# KiCad board haptic display 8x8 aisler.kicad_pcb (continued)
## Routing (per net, layer and track width the routed paths; a pad name or vN(x,y) marks a point on that pad's centre or on a via; arc(x,y) is an arc through that point) (continued)
77.95,68.55 78.22,68.69 78.51,68.81 78.8,68.91 79.09,68.98 79.39,69.04 79.7,69.07 80,69.08 80.3,69.06 80.61,69.02 80.9,68.96 81.2,68.88 81.48,68.78 81.76,68.66 82.03,68.51 82.28,68.35 82.52,68.17 82.75,67.97 82.96,67.75 83.16,67.52 83.33,67.27 83.49,67.02 83.63,66.75 83.75,66.47 83.85,66.19 83.92,65.89 83.97,65.6 84,65.3 84.01,65 84,64.7 83.96,64.4 83.9,64.11 83.82,63.82 83.72,63.54 83.6,63.27 83.46,63 83.3,62.75 83.12,62.51 82.92,62.29 82.71,62.08 82.48,61.89 82.24,61.72 81.99,61.56 81.72,61.43 81.45,61.31 81.17,61.21 80.88,61.14 80.59,61.09 80.3,61.06 80,61.05 79.69,61.07 79.38,61.1 79.08,61.17 78.78,61.26 78.49,61.37 78.22,61.5 77.95,61.65 77.69,61.82 77.45,62.02 77.23,62.23 77.02,62.46 76.83,62.7 76.67,62.96 76.52,63.23 76.39,63.51 76.29,63.79 76.21,64.09 76.15,64.39 76.12,64.69 76.11,65 76.13,65.3 76.17,65.61 76.23,65.91 76.31,66.2 76.42,66.48 76.55,66.76 76.7,67.02 76.88,67.27 77.07,67.51 77.27,67.73 77.5,67.93 77.74,68.11 77.99,68.28 78.25,68.42 78.53,68.55 78.81,68.65 79.1,68.73 79.4,68.78 79.7,68.82 80,68.83 80.3,68.81 80.6,68.77 80.89,68.71 81.18,68.63 81.46,68.52 81.73,68.39 81.99,68.24 82.23,68.07 82.47,67.89 82.68,67.68 82.88,67.46 83.06,67.23 83.23,66.98 83.37,66.72 83.49,66.45 83.59,66.17 83.67,65.88 83.72,65.59 83.75,65.3 83.76,65 83.75,64.71 83.71,64.41 83.65,64.12 83.57,63.84 83.46,63.57 83.34,63.3 83.19,63.05 83.02,62.8 82.84,62.57 82.64,62.36 82.42,62.17 82.19,61.99 81.94,61.83 81.69,61.69 81.42,61.57 81.15,61.47 80.87,61.39 80.58,61.34 80.29,61.31 80,61.3 79.69,61.32 79.39,61.36 79.09,61.42 78.8,61.51 78.52,61.63 78.25,61.76 77.99,61.92 77.74,62.1 77.51,62.3 77.3,62.52 77.11,62.75 76.94,63 76.78,63.26 76.65,63.53 76.55,63.81 76.46,64.1 76.41,64.4 76.37,64.7 76.36,65 76.38,65.3 76.42,65.6 76.48,65.89 76.57,66.18 76.68,66.45 76.82,66.72 76.97,66.98 77.15,67.22 77.35,67.44 77.56,67.65 77.79,67.84 78.03,68.01 78.29,68.16 78.56,68.29 78.83,68.39 79.12,68.48 79.41,68.53 79.7,68.57 80,68.58 80.29,68.56 80.59,68.52 80.88,68.46 81.16,68.37 81.43,68.26 81.69,68.13 81.94,67.97 82.18,67.8 82.4,67.61 82.61,67.4 82.79,67.17 82.96,66.93 83.11,66.68 83.23,66.42 83.33,66.14 83.41,65.86 83.47,65.58 83.5,65.29 83.51,65 83.5,64.71 83.46,64.42 83.4,64.14 83.31,63.86 83.2,63.6 83.07,63.34 82.92,63.09 82.75,62.86 82.56,62.64 82.36,62.44 82.14,62.26 81.9,62.09 81.65,61.95 81.39,61.83 81.12,61.72 80.85,61.65 80.57,61.59 80.29,61.56 80,61.55 79.7,61.57 79.4,61.61 79.11,61.68 78.82,61.77 78.55,61.89 78.29,62.03 78.04,62.19 77.8,62.38 77.58,62.58 77.38,62.8 77.21,63.04 77.05,63.3 76.91,63.56 76.8,63.84 76.72,64.12 76.66,64.41 76.62,64.7 76.61,65 76.63,65.29 76.67,65.59 76.74,65.87 76.83,66.15 76.95,66.42 77.08,66.68 77.25,66.93 77.43,67.16 77.63,67.37 77.84,67.57 78.08,67.74 78.33,67.9 78.59,68.03 78.86,68.14 79.14,68.22 79.42,68.28 79.71,68.32 80,68.33 80.29,68.31 80.58,68.27 80.86,68.2 81.13,68.11 81.4,68 81.65,67.86 81.89,67.7 82.12,67.53 82.33,67.33 82.52,67.11 82.69,66.89 82.84,66.64 82.97,66.39 83.08,66.12 83.16,65.85 83.22,65.57 83.25,65.28 83.26,65 83.25,64.72 83.21,64.43 83.14,64.16 83.05,63.89 82.94,63.63 82.81,63.38 82.65,63.14 82.48,62.92 82.28,62.72 82.07,62.53 81.85,62.36 81.61,62.21 81.36,62.08 81.1,61.98 80.83,61.9 80.56,61.84 80.28,61.81 80,61.8 79.71,61.82 79.41,61.86 79.13,61.93 78.85,62.03 78.58,62.15 78.33,62.3 78.09,62.47 77.86,62.66 77.66,62.87 77.48,63.09 77.31,63.34 77.17,63.59 77.06,63.86 76.97,64.14 76.91,64.42 76.87,64.71 76.86,65 76.88,65.29 76.92,65.58 76.99,65.86 77.09,66.13 77.21,66.39 77.35,66.64 77.52,66.88 77.7,67.09 77.91,67.29 78.13,67.47 78.37,67.63 78.62,67.77 78.88,67.88 79.16,67.97 79.43,68.03 79.72,68.07 80,68.08 80.28,68.06 80.56,68.02 80.84,67.95 81.11,67.85 81.36,67.74 81.61,67.6 81.84,67.43 82.05,67.25 82.25,67.05 82.42,66.83 82.58,66.6 82.71,66.35 82.82,66.09 82.91,65.83 82.97,65.55 83,65.28 83.01,65 83,64.72 82.95,64.45 82.89,64.18 82.8,63.92 82.68,63.67 82.54,63.43 82.38,63.2 82.2,62.99 82.01,62.8 81.79,62.63 81.56,62.47 81.32,62.34 81.07,62.24 80.81,62.15 80.54,62.09 80.27,62.06 80,62.05 79.71,62.07 79.43,62.11 79.15,62.19 78.88,62.29 78.62,62.42 78.37,62.57 78.15,62.74 77.94,62.94 77.75,63.15 77.58,63.38 77.44,63.63 77.32,63.89 77.23,64.16 77.16,64.44 77.12,64.72 77.11,65 77.13,65.28 77.18,65.56 77.25,65.83 77.35,66.1 77.47,66.35 77.62,66.59 77.79,66.81 77.98,67.02 78.19,67.2 78.42,67.37 78.66,67.51 78.91,67.62 79.18,67.71 79.45,67.78 79.72,67.82 80,67.83 80.28,67.81 80.55,67.76 80.82,67.69 81.08,67.6 81.32,67.47 81.56,67.33 81.77,67.16 81.98,66.98 82.16,66.77 82.32,66.55 82.45,66.31 82.57,66.06 82.65,65.81 82.72,65.54 82.75,65.27 82.76,65 82.75,64.73 82.7,64.46 82.63,64.2 82.54,63.95 82.42,63.71 82.28,63.48 82.11,63.26 81.93,63.07 81.73,62.89 81.51,62.74 81.28,62.6 81.04,62.49 80.79,62.41 80.53,62.34 80.27,62.31 80,62.3 79.72,62.32 79.44,62.37 79.17,62.44 78.91,62.55 78.66,62.68 78.43,62.84 78.21,63.02 78.02,63.22 77.85,63.44 77.7,63.67 77.58,63.92 77.48,64.18 77.41,64.45 77.37,64.72 77.36,65 77.38,65.28 77.43,65.55 77.5,65.81 77.61,66.07 77.73,66.31 77.89,66.54 78.06,66.75 78.26,66.94 78.47,67.1 78.7,67.25 78.95,67.37 79.2,67.46 79.46,67.53 79.73,67.57 80,67.58 80.27,67.56 80.53,67.51 80.79,67.44 81.04,67.34 81.28,67.21 81.5,67.06 81.7,66.89 81.89,66.7 82.05,66.49 82.19,66.27 82.31,66.03 82.4,65.78 82.47,65.52 82.5,65.26 82.51,65 82.49,64.74 82.45,64.48 82.38,64.23 82.28,63.98 82.16,63.75 82.01,63.54 81.85,63.34 81.66,63.16 81.45,63 81.24,62.86 81,62.75 80.76,62.66 80.51,62.6 80.26,62.56 80,62.55 79.73,62.57 79.46,62.62 79.2,62.7 78.94,62.81 78.71,62.94 78.49,63.11 78.29,63.29 78.11,63.49 77.96,63.72 77.83,63.96 77.73,64.21 77.66,64.47 77.62,64.73 77.61,65 77.63,65.27 77.68,65.53 77.76,65.78 77.87,66.03 78,66.26 78.15,66.47 78.33,66.67 78.53,66.84 78.75,66.99 78.98,67.11 79.23,67.21 79.48,67.28 79.74,67.31 80,67.33 80.26,67.31 80.52,67.26 80.76,67.18 81,67.08 81.23,66.95 81.43,66.8 81.62,66.62 81.79,66.43 81.93,66.22 82.05,65.99 82.15,65.75 82.21,65.51 82.25,65.25 82.26,65 82.24,64.75 82.2,64.5 82.12,64.26 82.02,64.03 81.9,63.81 81.75,63.61 81.58,63.42 81.39,63.26 81.18,63.12 80.96,63 80.73,62.91 80.49,62.85 80.25,62.81 80,62.8 79.74,62.82 79.48,62.87 79.22,62.96 78.99,63.07 78.76,63.21 78.56,63.37 78.38,63.56 78.22,63.77 78.09,64 77.99,64.24 77.92,64.49 77.87,64.74 77.86,65 77.88,65.26 77.93,65.51 78.01,65.75 78.12,65.98 78.26,66.2 78.42,66.4 78.6,66.57 78.81,66.73 79.03,66.85 79.26,66.95 79.5,67.02 79.75,67.06 80,67.08 80.25,67.06 80.49,67.01 80.73,66.93 80.96,66.82 81.17,66.69 81.36,66.53 81.53,66.35 81.68,66.16 81.8,65.94 81.9,65.72 81.96,65.48 82,65.24 82.01,65 81.99,64.76 81.94,64.52 81.87,64.29 81.76,64.07 81.64,63.87 81.48,63.68 81.31,63.52 81.12,63.38 80.92,63.26 80.7,63.16 80.47,63.1 80.24,63.06 80,63.05 79.75,63.07 79.5,63.13 79.26,63.21 79.04,63.33 78.83,63.47 78.64,63.64 78.48,63.84 78.35,64.05 78.24,64.27 78.17,64.51 78.12,64.75 78.11,65 78.13,65.25 78.19,65.49 78.27,65.72 78.38,65.93 78.52,66.13 78.69,66.31 78.87,66.47 79.08,66.6 79.3,66.7 79.52,66.77 79.76,66.81 80,66.83 80.24,66.8 80.47,66.75 80.69,66.67 80.9,66.56 81.1,66.43 81.27,66.27 81.42,66.09 81.54,65.89 81.64,65.68 81.71,65.46 81.75,65.23 81.76,65 81.74,64.77 81.69,64.55 81.61,64.33 81.51,64.13 81.38,63.94 81.22,63.78 81.05,63.63 80.86,63.51 80.66,63.41 80.44,63.35 80.22,63.31 80,63.3 79.76,63.32 79.52,63.38 79.3,63.47 79.09,63.59 78.91,63.74 78.74,63.91 78.6,64.1 78.49,64.31 78.42,64.54 78.37,64.77 78.36,65 78.38,65.23 78.44,65.46 78.53,65.67 78.64,65.87 78.78,66.05 78.95,66.21 79.14,66.34 79.34,66.45 79.55,66.52 79.78,66.56 80,66.58 80.22,66.55 80.44,66.5 80.65,66.42 80.84,66.31 81.01,66.17 81.16,66.01 81.29,65.83 81.39,65.64 81.46,65.43 81.5,65.22 81.51,65 81.49,64.79 81.44,64.58 81.36,64.38 81.25,64.19 81.12,64.03 80.97,63.88 80.8,63.76 80.61,63.67 80.41,63.6 80.21,63.56 80,63.55 80,63.6 79.63,63.97 79.59,63.98 ; v1(80.35,45) 80,45.35 80,45.55 79.68,45.56 79.37,45.6 79.06,45.66 78.75,45.74 78.45,45.84 78.16,45.97 77.88,46.11 77.61,46.28 77.35,46.46 77.1,46.66 76.88,46.88 76.66,47.11 76.47,47.36 76.29,47.62 76.13,47.89 75.99,48.17 75.88,48.46 75.78,48.76 75.7,49.07 75.65,49.37 75.62,49.69 75.61,50 75.63,50.31 75.66,50.62 75.72,50.93 75.8,51.23 75.9,51.53 76.02,51.82 76.17,52.09 76.33,52.36 76.51,52.61 76.71,52.85 76.92,53.08 77.15,53.29 77.39,53.48 77.65,53.66 77.92,53.81 78.2,53.95 78.48,54.07 78.78,54.16 79.08,54.23 79.38,54.29 79.69,54.32 80,54.33 80.31,54.31 80.61,54.28 80.92,54.22 81.22,54.14 81.51,54.04 81.79,53.92 82.06,53.78 82.33,53.62 82.58,53.44 82.81,53.25 83.04,53.04 83.24,52.81 83.43,52.57 83.6,52.32 83.76,52.05 83.89,51.78 84.01,51.49 84.1,51.2 84.17,50.91 84.22,50.61 84.25,50.3 84.26,50 84.25,49.7 84.21,49.39 84.16,49.1 84.08,48.8 83.98,48.52 83.86,48.24 83.72,47.97 83.57,47.71 83.39,47.46 83.2,47.23 82.99,47.01 82.77,46.8 82.53,46.62 82.28,46.45 82.02,46.3 81.75,46.16 81.47,46.05 81.19,45.96 80.89,45.89 80.6,45.84 80.3,45.81 80,45.8 79.69,45.81 79.37,45.85 79.07,45.91 78.77,46 78.47,46.1 78.19,46.23 77.91,46.38 77.65,46.55 77.4,46.74 77.16,46.94 76.95,47.17 76.74,47.4 76.56,47.66 76.4,47.92 76.26,48.2 76.13,48.48 76.03,48.78 75.96,49.08 75.9,49.38 75.87,49.69 75.86,50 75.88,50.31 75.91,50.62 75.97,50.92 76.06,51.22 76.16,51.51 76.29,51.79 76.43,52.06 76.6,52.32 76.79,52.56 76.99,52.79 77.21,53.01 77.44,53.21 77.69,53.39 77.95,53.55 78.22,53.69 78.51,53.81 78.8,53.91 79.09,53.98 79.39,54.04 79.7,54.07 80,54.08 80.3,54.06 80.61,54.02 80.9,53.96 81.2,53.88 81.48,53.78 81.76,53.66 82.03,53.51 82.28,53.35 82.52,53.17 82.75,52.97 82.96,52.75 83.16,52.52 83.33,52.27 83.49,52.02 83.63,51.75 83.75,51.47 83.85,51.19 83.92,50.89 83.97,50.6 84,50.3 84.01,50 84,49.7 83.96,49.4 83.9,49.11 83.82,48.82 83.72,48.54 83.6,48.27 83.46,48 83.3,47.75 83.12,47.51 82.92,47.29 82.71,47.08 82.48,46.89 82.24,46.72 81.99,46.56 81.72,46.43 81.45,46.31 81.17,46.21 80.88,46.14 80.59,46.09 80.3,46.06 80,46.05 79.69,46.07 79.38,46.1 79.08,46.17 78.78,46.26 78.49,46.37 78.22,46.5 77.95,46.65 77.69,46.82 77.45,47.02 77.23,47.23 77.02,47.46 76.83,47.7 76.67,47.96 76.52,48.23 76.39,48.51 76.29,48.79 76.21,49.09 76.15,49.39 76.12,49.69 76.11,50 76.13,50.3 76.17,50.61 76.23,50.91 76.31,51.2 76.42,51.48 76.55,51.76 76.7,52.02 76.88,52.27 77.07,52.51 77.27,52.73 77.5,52.93 77.74,53.11 77.99,53.28 78.25,53.42 78.53,53.55 78.81,53.65 79.1,53.73 79.4,53.78 79.7,53.82 80,53.83 80.3,53.81 80.6,53.77 80.89,53.71 81.18,53.63 81.46,53.52 81.73,53.39 81.99,53.24 82.23,53.07 82.47,52.89 82.68,52.68 82.88,52.46 83.06,52.23 83.23,51.98 83.37,51.72 83.49,51.45 83.59,51.17 83.67,50.88 83.72,50.59 83.75,50.3 83.76,50 83.75,49.71 83.71,49.41 83.65,49.12 83.57,48.84 83.46,48.57 83.34,48.3 83.19,48.05 83.02,47.8 82.84,47.57 82.64,47.36 82.42,47.17 82.19,46.99 81.94,46.83 81.69,46.69 81.42,46.57 81.15,46.47 80.87,46.39 80.58,46.34 80.29,46.31 80,46.3 79.69,46.32 79.39,46.36 79.09,46.42 78.8,46.51 78.52,46.63 78.25,46.76 77.99,46.92 77.74,47.1 77.51,47.3 77.3,47.52 77.11,47.75 76.94,48 76.78,48.26 76.65,48.53 76.55,48.81 76.46,49.1 76.41,49.4 76.37,49.7 76.36,50 76.38,50.3 76.42,50.6 76.48,50.89 76.57,51.18 76.68,51.45 76.82,51.72 76.97,51.98 77.15,52.22 77.35,52.44 77.56,52.65 77.79,52.84 78.03,53.01 78.29,53.16 78.56,53.29 78.83,53.39 79.12,53.48 79.41,53.53 79.7,53.57 80,53.58 80.29,53.56 80.59,53.52 80.88,53.46 81.16,53.37 81.43,53.26 81.69,53.13 81.94,52.97 82.18,52.8 82.4,52.61 82.61,52.4 82.79,52.17 82.96,51.93 83.11,51.68 83.23,51.42 83.33,51.14 83.41,50.86 83.47,50.58 83.5,50.29 83.51,50 83.5,49.71 83.46,49.42 83.4,49.14 83.31,48.86 83.2,48.6 83.07,48.34 82.92,48.09 82.75,47.86 82.56,47.64 82.36,47.44 82.14,47.26 81.9,47.09 81.65,46.95 81.39,46.83 81.12,46.72 80.85,46.65 80.57,46.59 80.29,46.56 80,46.55 79.7,46.57 79.4,46.61 79.11,46.68 78.82,46.77 78.55,46.89 78.29,47.03 78.04,47.19 77.8,47.38 77.58,47.58 77.38,47.8 77.21,48.04 77.05,48.3 76.91,48.56 76.8,48.84 76.72,49.12 76.66,49.41 76.62,49.7 76.61,50 76.63,50.29 76.67,50.59 76.74,50.87 76.83,51.15 76.95,51.42 77.08,51.68 77.25,51.93 77.43,52.16 77.63,52.37 77.84,52.57 78.08,52.74 78.33,52.9 78.59,53.03 78.86,53.14 79.14,53.22 79.42,53.28 79.71,53.32 80,53.33 80.29,53.31 80.58,53.27 80.86,53.2 81.13,53.11 81.4,53 81.65,52.86 81.89,52.7 82.12,52.53 82.33,52.33 82.52,52.11 82.69,51.89 82.84,51.64 82.97,51.39 83.08,51.12 83.16,50.85 83.22,50.57 83.25,50.28 83.26,50 83.25,49.72 83.21,49.43 83.14,49.16 83.05,48.89 82.94,48.63 82.81,48.38 82.65,48.14 82.48,47.92 82.28,47.72 82.07,47.53 81.85,47.36 81.61,47.21 81.36,47.08 81.1,46.98 80.83,46.9 80.56,46.84 80.28,46.81 80,46.8 79.71,46.82 79.41,46.86 79.13,46.93 78.85,47.03 78.58,47.15 78.33,47.3 78.09,47.47 77.86,47.66 77.66,47.87 77.48,48.09 77.31,48.34 77.17,48.59 77.06,48.86 76.97,49.14 76.91,49.42 76.87,49.71 76.86,50 76.88,50.29 76.92,50.58 76.99,50.86 77.09,51.13 77.21,51.39 77.35,51.64 77.52,51.88 77.7,52.09 77.91,52.29 78.13,52.47 78.37,52.63 78.62,52.77 78.88,52.88 79.16,52.97 79.43,53.03 79.72,53.07 80,53.08 80.28,53.06 80.56,53.02 80.84,52.95 81.11,52.85 81.36,52.74 81.61,52.6 81.84,52.43 82.05,52.25 82.25,52.05 82.42,51.83 82.58,51.6 82.71,51.35 82.82,51.09 82.91,50.83 82.97,50.55 83,50.28 83.01,50 83,49.72 82.95,49.45 82.89,49.18 82.8,48.92 82.68,48.67 82.54,48.43 82.38,48.2 82.2,47.99 82.01,47.8 81.79,47.63 81.56,47.47 81.32,47.34 81.07,47.24 80.81,47.15 80.54,47.09 80.27,47.06 80,47.05 79.71,47.07 79.43,47.11 79.15,47.19 78.88,47.29 78.62,47.42 78.37,47.57 78.15,47.74 77.94,47.94 77.75,48.15 77.58,48.38 77.44,48.63 77.32,48.89 77.23,49.16 77.16,49.44 77.12,49.72 77.11,50 77.13,50.28 77.18,50.56 77.25,50.83 77.35,51.1 77.47,51.35 77.62,51.59 77.79,51.81 77.98,52.02 78.19,52.2 78.42,52.37 78.66,52.51 78.91,52.62 79.18,52.71 79.45,52.78 79.72,52.82 80,52.83 80.28,52.81 80.55,52.76 80.82,52.69 81.08,52.6 81.32,52.47 81.56,52.33 81.77,52.16 81.98,51.98 82.16,51.77 82.32,51.55 82.45,51.31 82.57,51.06 82.65,50.81 82.72,50.54 82.75,50.27 82.76,50 82.75,49.73 82.7,49.46 82.63,49.2 82.54,48.95 82.42,48.71 82.28,48.48 82.11,48.26 81.93,48.07 81.73,47.89 81.51,47.74 81.28,47.6 81.04,47.49 80.79,47.41 80.53,47.34 80.27,47.31 80,47.3 79.72,47.32 79.44,47.37 79.17,47.44 78.91,47.55 78.66,47.68 78.43,47.84 78.21,48.02 78.02,48.22 77.85,48.44 77.7,48.67 77.58,48.92 77.48,49.18 77.41,49.45 77.37,49.72 77.36,50 77.38,50.28 77.43,50.55 77.5,50.81 77.61,51.07 77.73,51.31 77.89,51.54 78.06,51.75 78.26,51.94 78.47,52.1 78.7,52.25 78.95,52.37 79.2,52.46 79.46,52.53 79.73,52.57 80,52.58 80.27,52.56 80.53,52.51 80.79,52.44 81.04,52.34 81.28,52.21 81.5,52.06 81.7,51.89 81.89,51.7 82.05,51.49 82.19,51.27 82.31,51.03 82.4,50.78 82.47,50.52 82.5,50.26 82.51,50 82.49,49.74 82.45,49.48 82.38,49.23 82.28,48.98 82.16,48.75 82.01,48.54 81.85,48.34 81.66,48.16 81.45,48 81.24,47.86 81,47.75 80.76,47.66 80.51,47.6 80.26,47.56 80,47.55 79.73,47.57 79.46,47.62 79.2,47.7 78.94,47.81 78.71,47.94 78.49,48.11 78.29,48.29 78.11,48.49 77.96,48.72 77.83,48.96 77.73,49.21 77.66,49.47 77.62,49.73 77.61,50 77.63,50.27 77.68,50.53 77.76,50.78 77.87,51.03 78,51.26 78.15,51.47 78.33,51.67 78.53,51.84 78.75,51.99 78.98,52.11 79.23,52.21 79.48,52.28 79.74,52.31 80,52.33 80.26,52.31 80.52,52.26 80.76,52.18 81,52.08 81.23,51.95 81.43,51.8 81.62,51.62 81.79,51.43 81.93,51.22 82.05,50.99 82.15,50.75 82.21,50.51 82.25,50.25 82.26,50 82.24,49.75 82.2,49.5 82.12,49.26 82.02,49.03 81.9,48.81 81.75,48.61 81.58,48.42 81.39,48.26 81.18,48.12 80.96,48 80.73,47.91 80.49,47.85 80.25,47.81 80,47.8 79.74,47.82 79.48,47.87 79.22,47.96 78.99,48.07 78.76,48.21 78.56,48.37 78.38,48.56 78.22,48.77 78.09,49 77.99,49.24 77.92,49.49 77.87,49.74 77.86,50 77.88,50.26 77.93,50.51 78.01,50.75 78.12,50.98 78.26,51.2 78.42,51.4 78.6,51.57 78.81,51.73 79.03,51.85 79.26,51.95 79.5,52.02 79.75,52.06 80,52.08 80.25,52.06 80.49,52.01 80.73,51.93 80.96,51.82 81.17,51.69 81.36,51.53 81.53,51.35 81.68,51.16 81.8,50.94 81.9,50.72 81.96,50.48 82,50.24 82.01,50 81.99,49.76 81.94,49.52 81.87,49.29 81.76,49.07 81.64,48.87 81.48,48.68 81.31,48.52 81.12,48.38 80.92,48.26 80.7,48.16 80.47,48.1 80.24,48.06 80,48.05 79.75,48.07 79.5,48.13 79.26,48.21 79.04,48.33 78.83,48.47 78.64,48.64 78.48,48.84 78.35,49.05 78.24,49.27 78.17,49.51 78.12,49.75 78.11,50 78.13,50.25 78.19,50.49 78.27,50.72 78.38,50.93 78.52,51.13 78.69,51.31 78.87,51.47 79.08,51.6 79.3,51.7 79.52,51.77 79.76,51.81 80,51.83 80.24,51.8 80.47,51.75 80.69,51.67 80.9,51.56 81.1,51.43 81.27,51.27 81.42,51.09 81.54,50.89 81.64,50.68 81.71,50.46 81.75,50.23 81.76,50 81.74,49.77 81.69,49.55 81.61,49.33 81.51,49.13 81.38,48.94 81.22,48.78 81.05,48.63 80.86,48.51 80.66,48.41 80.44,48.35 80.22,48.31 80,48.3 79.76,48.32 79.52,48.38 79.3,48.47 79.09,48.59 78.91,48.74 78.74,48.91 78.6,49.1 78.49,49.31 78.42,49.54 78.37,49.77 78.36,50 78.38,50.23 78.44,50.46 78.53,50.67 78.64,50.87 78.78,51.05 78.95,51.21 79.14,51.34 79.34,51.45 79.55,51.52 79.78,51.56 80,51.58 80.22,51.55 80.44,51.5 80.65,51.42 80.84,51.31 81.01,51.17 81.16,51.01 81.29,50.83 81.39,50.64 81.46,50.43 81.5,50.22 81.51,50 81.49,49.79 81.44,49.58 81.36,49.38 81.25,49.19 81.12,49.03 80.97,48.88 80.8,48.76 80.61,48.67 80.41,48.6 80.21,48.56 80,48.55 80,48.6 79.63,48.97 79.59,48.98 ; v1(80.35,30) 80,30.35 80,30.55 79.68,30.56 79.37,30.6 79.06,30.66 78.75,30.74 78.45,30.84 78.16,30.97 77.88,31.11 77.61,31.28 77.35,31.46 77.1,31.66 76.88,31.88 76.66,32.11 76.47,32.36 76.29,32.62 76.13,32.89 75.99,33.17 75.88,33.46 75.78,33.76 75.7,34.07 75.65,34.37 75.62,34.69 75.61,35 75.63,35.31 75.66,35.62 75.72,35.93 75.8,36.23 75.9,36.53 76.02,36.82 76.17,37.09 76.33,37.36 76.51,37.61 76.71,37.85 76.92,38.08 77.15,38.29 77.39,38.48 77.65,38.66 77.92,38.81 78.2,38.95 78.48,39.07 78.78,39.16 79.08,39.23 79.38,39.29 79.69,39.32 80,39.32 80.31,39.31 80.61,39.28 80.92,39.22 81.22,39.14 81.51,39.04 81.79,38.92 82.06,38.78 82.33,38.62 82.58,38.44 82.81,38.25 83.04,38.04 83.24,37.81 83.43,37.57 83.6,37.32 83.76,37.05 83.89,36.78 84.01,36.49 84.1,36.2 84.17,35.91 84.22,35.61 84.25,35.3 84.26,35 84.25,34.7 84.21,34.39 84.16,34.1 84.08,33.8 83.98,33.52 83.86,33.24 83.72,32.97 83.57,32.71 83.39,32.46 83.2,32.23 82.99,32.01 82.77,31.8 82.53,31.62 82.28,31.45 82.02,31.3 81.75,31.16 81.47,31.05 81.19,30.96 80.89,30.89 80.6,30.84 80.3,30.81 80,30.8 79.69,30.81 79.37,30.85 79.07,30.91 78.77,31 78.47,31.1 78.19,31.23 77.91,31.38 77.65,31.55 77.4,31.74 77.16,31.94 76.95,32.17 76.74,32.4 76.56,32.66 76.4,32.92 76.26,33.2 76.13,33.48 76.03,33.78 75.96,34.08 75.9,34.38 75.87,34.69 75.86,35 75.88,35.31 75.91,35.62 75.97,35.92 76.06,36.22 76.16,36.51 76.29,36.79 76.43,37.06 76.6,37.32 76.79,37.56 76.99,37.79 77.21,38.01 77.44,38.21 77.69,38.39 77.95,38.55 78.22,38.69 78.51,38.81 78.8,38.91 79.09,38.98 79.39,39.04 79.7,39.07 80,39.07 80.3,39.06 80.61,39.02 80.9,38.96 81.2,38.88 81.48,38.78 81.76,38.66 82.03,38.51 82.28,38.35 82.52,38.17 82.75,37.97 82.96,37.75 83.16,37.52 83.33,37.27 83.49,37.02 83.63,36.75 83.75,36.47 83.85,36.19 83.92,35.89 83.97,35.6 84,35.3 84.01,35 84,34.7 83.96,34.4 83.9,34.11 83.82,33.82 83.72,33.54 83.6,33.27 83.46,33 83.3,32.75 83.12,32.51 82.92,32.29 82.71,32.08 82.48,31.89 82.24,31.72 81.99,31.56 81.72,31.43 81.45,31.31 81.17,31.21 80.88,31.14 80.59,31.09 80.3,31.06 80,31.05 79.69,31.07 79.38,31.1 79.08,31.17 78.78,31.26 78.49,31.37 78.22,31.5 77.95,31.65 77.69,31.82 77.45,32.02 77.23,32.23 77.02,32.46 76.83,32.7 76.67,32.96 76.52,33.23 76.39,33.51 76.29,33.79 76.21,34.09 76.15,34.39 76.12,34.69 76.11,35 76.13,35.3 76.17,35.61 76.23,35.91 76.31,36.2 76.42,36.48 76.55,36.76 76.7,37.02 76.88,37.27 77.07,37.51 77.27,37.73 77.5,37.93 77.74,38.11 77.99,38.28 78.25,38.42 78.53,38.55 78.81,38.65 79.1,38.73 79.4,38.78 79.7,38.82 80,38.82 80.3,38.81 80.6,38.77 80.89,38.71 81.18,38.63 81.46,38.52 81.73,38.39 81.99,38.24 82.23,38.07 82.47,37.89 82.68,37.68 82.88,37.46 83.06,37.23 83.23,36.98 83.37,36.72 83.49,36.45 83.59,36.17 83.67,35.88 83.72,35.59 83.75,35.3 83.76,35 83.75,34.71 83.71,34.41 83.65,34.12 83.57,33.84 83.46,33.57 83.34,33.3 83.19,33.05 83.02,32.8 82.84,32.57 82.64,32.36 82.42,32.17 82.19,31.99 81.94,31.83 81.69,31.69 81.42,31.57 81.15,31.47 80.87,31.39 80.58,31.34 80.29,31.31 80,31.3 79.69,31.32 79.39,31.36 79.09,31.42 78.8,31.51 78.52,31.63 78.25,31.76 77.99,31.92 77.74,32.1 77.51,32.3 77.3,32.52 77.11,32.75 76.94,33 76.78,33.26 76.65,33.53 76.55,33.81 76.46,34.1 76.41,34.4 76.37,34.7 76.36,35 76.38,35.3 76.42,35.6 76.48,35.89 76.57,36.18 76.68,36.45 76.82,36.72 76.97,36.98 77.15,37.22 77.35,37.44 77.56,37.65 77.79,37.84 78.03,38.01 78.29,38.16 78.56,38.29 78.83,38.39 79.12,38.48 79.41,38.53 79.7,38.57 80,38.57 80.29,38.56 80.59,38.52 80.88,38.46 81.16,38.37 81.43,38.26 81.69,38.13 81.94,37.97 82.18,37.8 82.4,37.61 82.61,37.4 82.79,37.17 82.96,36.93 83.11,36.68 83.23,36.42 83.33,36.14 83.41,35.86 83.47,35.58 83.5,35.29 83.51,35 83.5,34.71 83.46,34.42 83.4,34.14 83.31,33.86 83.2,33.6 83.07,33.34 82.92,33.09 82.75,32.86 82.56,32.64 82.36,32.44 82.14,32.26 81.9,32.09 81.65,31.95 81.39,31.83 81.12,31.72 80.85,31.65 80.57,31.59 80.29,31.56 80,31.55 79.7,31.57 79.4,31.61 79.11,31.68 78.82,31.77 78.55,31.89 78.29,32.03 78.04,32.19 77.8,32.38 77.58,32.58 77.38,32.8 77.21,33.04 77.05,33.3 76.91,33.56 76.8,33.84 76.72,34.12 76.66,34.41 76.62,34.7 76.61,35 76.63,35.29 76.67,35.59 76.74,35.87 76.83,36.15 76.95,36.42 77.08,36.68 77.25,36.93 77.43,37.16 77.63,37.37 77.84,37.57 78.08,37.74 78.33,37.9 78.59,38.03 78.86,38.14 79.14,38.22 79.42,38.28 79.71,38.32 80,38.32 80.29,38.31 80.58,38.27 80.86,38.2 81.13,38.11 81.4,38 81.65,37.86 81.89,37.7 82.12,37.53 82.33,37.33 82.52,37.11 82.69,36.89 82.84,36.64 82.97,36.39 83.08,36.12 83.16,35.85 83.22,35.57 83.25,35.28 83.26,35 83.25,34.72 83.21,34.43 83.14,34.16 83.05,33.89 82.94,33.63 82.81,33.38 82.65,33.14 82.48,32.92 82.28,32.72 82.07,32.53 81.85,32.36 81.61,32.21 81.36,32.08 81.1,31.98 80.83,31.9 80.56,31.84 80.28,31.81 80,31.8 79.71,31.82 79.41,31.86 79.13,31.93 78.85,32.03 78.58,32.15 78.33,32.3 78.09,32.47 77.86,32.66 77.66,32.87 77.48,33.09 77.31,33.34 77.17,33.59 77.06,33.86 76.97,34.14 76.91,34.42 76.87,34.71 76.86,35 76.88,35.29 76.92,35.58 76.99,35.86 77.09,36.13 77.21,36.39 77.35,36.64 77.52,36.88 77.7,37.09 77.91,37.29 78.13,37.47 78.37,37.63 78.62,37.77 78.88,37.88 79.16,37.97 79.43,38.03 79.72,38.07 80,38.07 80.28,38.06 80.56,38.02 80.84,37.95 81.11,37.85 81.36,37.74 81.61,37.6 81.84,37.43 82.05,37.25 82.25,37.05 82.42,36.83 82.58,36.6 82.71,36.35 82.82,36.09 82.91,35.83 82.97,35.55 83,35.28 83.01,35 83,34.72 82.95,34.45 82.89,34.18 82.8,33.92 82.68,33.67 82.54,33.43 82.38,33.2 82.2,32.99 82.01,32.8 81.79,32.63 81.56,32.47 81.32,32.34 81.07,32.24 80.81,32.15 80.54,32.09 80.27,32.06 80,32.05 79.71,32.07 79.43,32.11 79.15,32.19 78.88,32.29 78.62,32.42 78.37,32.57 78.15,32.74 77.94,32.94 77.75,33.15 77.58,33.38 77.44,33.63 77.32,33.89 77.23,34.16 77.16,34.44 77.12,34.72 77.11,35 77.13,35.28 77.18,35.56 77.25,35.83 77.35,36.1 77.47,36.35 77.62,36.59 77.79,36.81 77.98,37.02 78.19,37.2 78.42,37.37 78.66,37.51 78.91,37.62 79.18,37.71 79.45,37.78 79.72,37.82 80,37.82 80.28,37.81 80.55,37.76 80.82,37.69 81.08,37.6 81.32,37.47 81.56,37.33 81.77,37.16 81.98,36.98 82.16,36.77 82.32,36.55 82.45,36.31 82.57,36.06 82.65,35.81 82.72,35.54 82.75,35.27 82.76,35 82.75,34.73 82.7,34.46 82.63,34.2 82.54,33.95 82.42,33.71 82.28,33.48 82.11,33.26 81.93,33.07 81.73,32.89 81.51,32.74 81.28,32.6 81.04,32.49 80.79,32.41 80.53,32.34 80.27,32.31 80,32.3 79.72,32.32 79.44,32.37 79.17,32.44 78.91,32.55 78.66,32.68 78.43,32.84 78.21,33.02 78.02,33.22 77.85,33.44 77.7,33.67 77.58,33.92 77.48,34.18 77.41,34.45 77.37,34.72 77.36,35 77.38,35.28 77.43,35.55 77.5,35.81 77.61,36.07 77.73,36.31 77.89,36.54 78.06,36.75 78.26,36.94 78.47,37.1 78.7,37.25 78.95,37.37 79.2,37.46 79.46,37.53 79.73,37.57 80,37.57 80.27,37.56 80.53,37.51 80.79,37.44 81.04,37.34 81.28,37.21 81.5,37.06 81.7,36.89 81.89,36.7 82.05,36.49 82.19,36.27 82.31,36.03 82.4,35.78 82.47,35.52 82.5,35.26 82.51,35 82.49,34.74 82.45,34.48 82.38,34.23 82.28,33.98 82.16,33.75 82.01,33.54 81.85,33.34 81.66,33.16 81.45,33 81.24,32.86 81,32.75 80.76,32.66 80.51,32.6 80.26,32.56 80,32.55 79.73,32.57 79.46,32.62 79.2,32.7 78.94,32.81 78.71,32.94 78.49,33.11 78.29,33.29 78.11,33.49 77.96,33.72 77.83,33.96 77.73,34.21 77.66,34.47 77.62,34.73 77.61,35 77.63,35.27 77.68,35.53 77.76,35.78 77.87,36.03 78,36.26 78.15,36.47 78.33,36.67 78.53,36.84 78.75,36.99 78.98,37.11 79.23,37.21 79.48,37.28 79.74,37.31 80,37.32 80.26,37.31 80.52,37.26 80.76,37.18 81,37.08 81.23,36.95 81.43,36.8 81.62,36.62 81.79,36.43 81.93,36.22 82.05,35.99 82.15,35.75 82.21,35.51 82.25,35.25 82.26,35 82.24,34.75 82.2,34.5 82.12,34.26 82.02,34.03 81.9,33.81 81.75,33.61 81.58,33.42 81.39,33.26 81.18,33.12 80.96,33 80.73,32.91 80.49,32.85 80.25,32.81 80,32.8 79.74,32.82 79.48,32.87 79.22,32.96 78.99,33.07 78.76,33.21 78.56,33.37 78.38,33.56 78.22,33.77 78.09,34 77.99,34.24 77.92,34.49 77.87,34.74 77.86,35 77.88,35.26 77.93,35.51 78.01,35.75 78.12,35.98 78.26,36.2 78.42,36.4 78.6,36.57 78.81,36.73 79.03,36.85 79.26,36.95 79.5,37.02 79.75,37.06 80,37.07 80.25,37.06 80.49,37.01 80.73,36.93 80.96,36.82 81.17,36.69 81.36,36.53 81.53,36.35 81.68,36.16 81.8,35.94 81.9,35.72 81.96,35.48 82,35.24 82.01,35 81.99,34.76 81.94,34.52 81.87,34.29 81.76,34.07 81.64,33.87 81.48,33.68 81.31,33.52 81.12,33.38 80.92,33.26 80.7,33.16 80.47,33.1 80.24,33.06 80,33.05 79.75,33.07 79.5,33.13 79.26,33.21 79.04,33.33 78.83,33.47 78.64,33.64 78.48,33.84 78.35,34.05 78.24,34.27 78.17,34.51 78.12,34.75 78.11,35 78.13,35.25 78.19,35.49 78.27,35.72 78.38,35.93 78.52,36.13 78.69,36.31 78.87,36.47 79.08,36.6 79.3,36.7 79.52,36.77 79.76,36.81 80,36.82 80.24,36.8 80.47,36.75 80.69,36.67 80.9,36.56 81.1,36.43 81.27,36.27 81.42,36.09 81.54,35.89 81.64,35.68 81.71,35.46 81.75,35.23 81.76,35 81.74,34.77 81.69,34.55 81.61,34.33 81.51,34.13 81.38,33.94 81.22,33.78 81.05,33.63 80.86,33.51 80.66,33.41 80.44,33.35 80.22,33.31 80,33.3 79.76,33.32 79.52,33.38 79.3,33.47 79.09,33.59 78.91,33.74 78.74,33.91 78.6,34.1 78.49,34.31 78.42,34.54 78.37,34.77 78.36,35 78.38,35.23 78.44,35.46 78.53,35.67 78.64,35.87 78.78,36.05 78.95,36.21 79.14,36.34 79.34,36.45 79.55,36.52 79.78,36.56 80,36.57 80.22,36.55 80.44,36.5 80.65,36.42 80.84,36.31 81.01,36.17 81.16,36.01 81.29,35.83 81.39,35.64 81.46,35.43 81.5,35.22 81.51,35 81.49,34.79 81.44,34.58 81.36,34.38 81.25,34.19 81.12,34.03 80.97,33.88 80.8,33.76 80.61,33.67 80.41,33.6 80.21,33.56 80,33.55 80,33.6 79.63,33.97 79.59,33.98 ; v1(80.35,15) 80,15.35 80,15.55 79.68,15.56 79.37,15.6 79.06,15.66 78.75,15.74 78.45,15.84 78.16,15.97 77.88,16.11 77.61,16.28 77.35,16.46 77.1,16.66 76.88,16.88 76.66,17.11 76.47,17.36 76.29,17.62 76.13,17.89 75.99,18.17 75.88,18.46 75.78,18.76 75.7,19.07 75.65,19.37 75.62,19.69 75.61,20 75.63,20.31 75.66,20.62 75.72,20.93 75.8,21.23 75.9,21.53 76.02,21.82 76.17,22.09 76.33,22.36 76.51,22.61 76.71,22.85 76.92,23.08 77.15,23.29 77.39,23.48 77.65,23.66 77.92,23.81 78.2,23.95 78.48,24.07 78.78,24.16 79.08,24.23 79.38,24.29 79.69,24.32 80,24.32 80.31,24.31 80.61,24.28 80.92,24.22 81.22,24.14 81.51,24.04 81.79,23.92 82.06,23.78 82.33,23.62 82.58,23.44 82.81,23.25 83.04,23.04 83.24,22.81 83.43,22.57 83.6,22.32 83.76,22.05 83.89,21.78 84.01,21.49 84.1,21.2 84.17,20.91 84.22,20.61 84.25,20.3 84.26,20 84.25,19.7 84.21,19.39 84.16,19.1 84.08,18.8 83.98,18.52 83.86,18.24 83.72,17.97 83.57,17.71 83.39,17.46 83.2,17.23 82.99,17.01 82.77,16.8 82.53,16.62 82.28,16.45 82.02,16.3 81.75,16.16 81.47,16.05 81.19,15.96 80.89,15.89 80.6,15.84 80.3,15.81 80,15.8 79.69,15.81 79.37,15.85 79.07,15.91 78.77,16 78.47,16.1 78.19,16.23 77.91,16.38 77.65,16.55 77.4,16.74 77.16,16.94 76.95,17.17 76.74,17.4 76.56,17.66 76.4,17.92 76.26,18.2 76.13,18.48 76.03,18.78 75.96,19.08 75.9,19.38 75.87,19.69 75.86,20 75.88,20.31 75.91,20.62 75.97,20.92 76.06,21.22 76.16,21.51 76.29,21.79 76.43,22.06 76.6,22.32 76.79,22.56 76.99,22.79 77.21,23.01 77.44,23.21 77.69,23.39 77.95,23.55 78.22,23.69 78.51,23.81 78.8,23.91 79.09,23.98 79.39,24.04 79.7,24.07 80,24.07 80.3,24.06 80.61,24.02 80.9,23.96 81.2,23.88 81.48,23.78 81.76,23.66 82.03,23.51 82.28,23.35 82.52,23.17 82.75,22.97 82.96,22.75 83.16,22.52 83.33,22.27 83.49,22.02 83.63,21.75 83.75,21.47 83.85,21.19 83.92,20.89 83.97,20.6 84,20.3 84.01,20 84,19.7 83.96,19.4 83.9,19.11 83.82,18.82 83.72,18.54 83.6,18.27 83.46,18 83.3,17.75 83.12,17.51 82.92,17.29 82.71,17.08 82.48,16.89 82.24,16.72 81.99,16.56 81.72,16.43 81.45,16.31 81.17,16.21 80.88,16.14 80.59,16.09 80.3,16.06 80,16.05 79.69,16.07 79.38,16.1 79.08,16.17 78.78,16.26 78.49,16.37 78.22,16.5 77.95,16.65 77.69,16.82 77.45,17.02 77.23,17.23 77.02,17.46 76.83,17.7 76.67,17.96 76.52,18.23 76.39,18.51 76.29,18.79 76.21,19.09 76.15,19.39 76.12,19.69 76.11,20 76.13,20.3 76.17,20.61 76.23,20.91 76.31,21.2 76.42,21.48 76.55,21.76 76.7,22.02 76.88,22.27 77.07,22.51 77.27,22.73 77.5,22.93 77.74,23.11 77.99,23.28 78.25,23.42 78.53,23.55 78.81,23.65 79.1,23.73 79.4,23.78 79.7,23.82 80,23.82 80.3,23.81 80.6,23.77 80.89,23.71 81.18,23.63 81.46,23.52 81.73,23.39 81.99,23.24 82.23,23.07 82.47,22.89 82.68,22.68 82.88,22.46 83.06,22.23 83.23,21.98 83.37,21.72 83.49,21.45 83.59,21.17 83.67,20.88 83.72,20.59 83.75,20.3 83.76,20 83.75,19.71 83.71,19.41 83.65,19.12 83.57,18.84 83.46,18.57 83.34,18.3 83.19,18.05 83.02,17.8 82.84,17.57 82.64,17.36 82.42,17.17 82.19,16.99 81.94,16.83 81.69,16.69 81.42,16.57 81.15,16.47 80.87,16.39 80.58,16.34 80.29,16.31 80,16.3 79.69,16.32 79.39,16.36 79.09,16.42 78.8,16.51 78.52,16.63 78.25,16.76 77.99,16.92 77.74,17.1 77.51,17.3 77.3,17.52 77.11,17.75 76.94,18 76.78,18.26 76.65,18.53 76.55,18.81 76.46,19.1 76.41,19.4 76.37,19.7 76.36,20 76.38,20.3 76.42,20.6 76.48,20.89 76.57,21.18 76.68,21.45 76.82,21.72 76.97,21.98 77.15,22.22 77.35,22.44 77.56,22.65 77.79,22.84 78.03,23.01 78.29,23.16 78.56,23.29 78.83,23.39 79.12,23.48 79.41,23.53 79.7,23.57 80,23.57 80.29,23.56 80.59,23.52 80.88,23.46 81.16,23.37 81.43,23.26 81.69,23.13 81.94,22.97 82.18,22.8 82.4,22.61 82.61,22.4 82.79,22.17 82.96,21.93 83.11,21.68 83.23,21.42 83.33,21.14 83.41,20.86 83.47,20.58 83.5,20.29 83.51,20 83.5,19.71 83.46,19.42 83.4,19.14 83.31,18.86 83.2,18.6 83.07,18.34 82.92,18.09 82.75,17.86 82.56,17.64 82.36,17.44 82.14,17.26 81.9,17.09 81.65,16.95 81.39,16.83 81.12,16.72 80.85,16.65 80.57,16.59 80.29,16.56 80,16.55 79.7,16.57 79.4,16.61 79.11,16.68 78.82,16.77 78.55,16.89 78.29,17.03 78.04,17.19 77.8,17.38 77.58,17.58 77.38,17.8 77.21,18.04 77.05,18.3 76.91,18.56 76.8,18.84 76.72,19.12 76.66,19.41 76.62,19.7 76.61,20 76.63,20.29 76.67,20.59 76.74,20.87 76.83,21.15 76.95,21.42 77.08,21.68 77.25,21.93 77.43,22.16 77.63,22.37 77.84,22.57 78.08,22.74 78.33,22.9 78.59,23.03 78.86,23.14 79.14,23.22 79.42,23.28 79.71,23.32 80,23.32 80.29,23.31 80.58,23.27 80.86,23.2 81.13,23.11 81.4,23 81.65,22.86 81.89,22.7 82.12,22.53 82.33,22.33 82.52,22.11 82.69,21.89 82.84,21.64 82.97,21.39 83.08,21.12 83.16,20.85 83.22,20.57 83.25,20.28 83.26,20 83.25,19.72 83.21,19.43 83.14,19.16 83.05,18.89 82.94,18.63 82.81,18.38 82.65,18.14 82.48,17.92 82.28,17.72 82.07,17.53 81.85,17.36 81.61,17.21 81.36,17.08 81.1,16.98 80.83,16.9 80.56,16.84 80.28,16.81 80,16.8 79.71,16.82 79.41,16.86 79.13,16.93 78.85,17.03 78.58,17.15 78.33,17.3 78.09,17.47 77.86,17.66 77.66,17.87 77.48,18.09 77.31,18.34 77.17,18.59 77.06,18.86 76.97,19.14 76.91,19.42 76.87,19.71 76.86,20 76.88,20.29 76.92,20.58 76.99,20.86 77.09,21.13 77.21,21.39 77.35,21.64 77.52,21.88 77.7,22.09 77.91,22.29 78.13,22.47 78.37,22.63 78.62,22.77 78.88,22.88 79.16,22.97 79.43,23.03 79.72,23.07 80,23.07 80.28,23.06 80.56,23.02 80.84,22.95 81.11,22.85 81.36,22.74 81.61,22.6 81.84,22.43 82.05,22.25 82.25,22.05 82.42,21.83 82.58,21.6 82.71,21.35 82.82,21.09 82.91,20.83 82.97,20.55 83,20.28 83.01,20 83,19.72 82.95,19.45 82.89,19.18 82.8,18.92 82.68,18.67 82.54,18.43 82.38,18.2 82.2,17.99 82.01,17.8 81.79,17.63 81.56,17.47 81.32,17.34 81.07,17.24 80.81,17.15 80.54,17.09 80.27,17.06 80,17.05 79.71,17.07 79.43,17.11 79.15,17.19 78.88,17.29 78.62,17.42 78.37,17.57 78.15,17.74 77.94,17.94 77.75,18.15 77.58,18.38 77.44,18.63 77.32,18.89 77.23,19.16 77.16,19.44 77.12,19.72 77.11,20 77.13,20.28 77.18,20.56 77.25,20.83 77.35,21.1 77.47,21.35 77.62,21.59 77.79,21.81 77.98,22.02 78.19,22.2 78.42,22.37 78.66,22.51 78.91,22.62 79.18,22.71 79.45,22.78 79.72,22.82 80,22.82 80.28,22.81 80.55,22.76 80.82,22.69 81.08,22.6 81.32,22.47 81.56,22.33 81.77,22.16 81.98,21.98 82.16,21.77 82.32,21.55 82.45,21.31 82.57,21.06 82.65,20.81 82.72,20.54 82.75,20.27 82.76,20 82.75,19.73 82.7,19.46 82.63,19.2 82.54,18.95 82.42,18.71 82.28,18.48 82.11,18.26 81.93,18.07 81.73,17.89 81.51,17.74 81.28,17.6 81.04,17.49 80.79,17.41 80.53,17.34 80.27,17.31 80,17.3 79.72,17.32 79.44,17.37 79.17,17.44 78.91,17.55 78.66,17.68 78.43,17.84 78.21,18.02 78.02,18.22 77.85,18.44 77.7,18.67 77.58,18.92 77.48,19.18 77.41,19.45 77.37,19.72 77.36,20 77.38,20.28 77.43,20.55 77.5,20.81 77.61,21.07 77.73,21.31 77.89,21.54 78.06,21.75 78.26,21.94 78.47,22.1 78.7,22.25 78.95,22.37 79.2,22.46 79.46,22.53 79.73,22.57 80,22.57 80.27,22.56 80.53,22.51 80.79,22.44 81.04,22.34 81.28,22.21 81.5,22.06 81.7,21.89 81.89,21.7 82.05,21.49 82.19,21.27 82.31,21.03 82.4,20.78 82.47,20.52 82.5,20.26 82.51,20 82.49,19.74 82.45,19.48 82.38,19.23 82.28,18.98 82.16,18.75 82.01,18.54 81.85,18.34 81.66,18.16 81.45,18 81.24,17.86 81,17.75 80.76,17.66 80.51,17.6 80.26,17.56 80,17.55 79.73,17.57 79.46,17.62 79.2,17.7 78.94,17.81 78.71,17.94 78.49,18.11 78.29,18.29 78.11,18.49 77.96,18.72 77.83,18.96 77.73,19.21 77.66,19.47 77.62,19.73 77.61,20 77.63,20.27 77.68,20.53 77.76,20.78 77.87,21.03 78,21.26 78.15,21.47 78.33,21.67 78.53,21.84 78.75,21.99 78.98,22.11 79.23,22.21 79.48,22.28 79.74,22.31 80,22.32 80.26,22.31 80.52,22.26 80.76,22.18 81,22.08 81.23,21.95 81.43,21.8 81.62,21.62 81.79,21.43 81.93,21.22 82.05,20.99 82.15,20.75 82.21,20.51 82.25,20.25 82.26,20 82.24,19.75 82.2,19.5 82.12,19.26 82.02,19.03 81.9,18.81 81.75,18.61 81.58,18.42 81.39,18.26 81.18,18.12 80.96,18 80.73,17.91 80.49,17.85 80.25,17.81 80,17.8 79.74,17.82 79.48,17.87 79.22,17.96 78.99,18.07 78.76,18.21 78.56,18.37 78.38,18.56 78.22,18.77 78.09,19 77.99,19.24 77.92,19.49 77.87,19.74 77.86,20 77.88,20.26 77.93,20.51 78.01,20.75 78.12,20.98 78.26,21.2 78.42,21.4 78.6,21.57 78.81,21.73 79.03,21.85 79.26,21.95 79.5,22.02 79.75,22.06 80,22.07 80.25,22.06 80.49,22.01 80.73,21.93 80.96,21.82 81.17,21.69 81.36,21.53 81.53,21.35 81.68,21.16 81.8,20.94 81.9,20.72 81.96,20.48 82,20.24 82.01,20 81.99,19.76 81.94,19.52 81.87,19.29 81.76,19.07 81.64,18.87 81.48,18.68 81.31,18.52 81.12,18.38 80.92,18.26 80.7,18.16 80.47,18.1 80.24,18.06 80,18.05 79.75,18.07 79.5,18.13 79.26,18.21 79.04,18.33 78.83,18.47 78.64,18.64 78.48,18.84 78.35,19.05 78.24,19.27 78.17,19.51 78.12,19.75 78.11,20 78.13,20.25 78.19,20.49 78.27,20.72 78.38,20.93 78.52,21.13 78.69,21.31 78.87,21.47 79.08,21.6 79.3,21.7 79.52,21.77 79.76,21.81 80,21.82 80.24,21.8 80.47,21.75 80.69,21.67 80.9,21.56 81.1,21.43 81.27,21.27 81.42,21.09 81.54,20.89 81.64,20.68 81.71,20.46 81.75,20.23 81.76,20 81.74,19.77 81.69,19.55 81.61,19.33 81.51,19.13 81.38,18.94 81.22,18.78 81.05,18.63 80.86,18.51 80.66,18.41 80.44,18.35 80.22,18.31 80,18.3 79.76,18.32 79.52,18.38 79.3,18.47 79.09,18.59 78.91,18.74 78.74,18.91 78.6,19.1 78.49,19.31 78.42,19.54 78.37,19.77 78.36,20 78.38,20.23 78.44,20.46 78.53,20.67 78.64,20.87 78.78,21.05 78.95,21.21 79.14,21.34 79.34,21.45 79.55,21.52 79.78,21.56 80,21.57 80.22,21.55 80.44,21.5 80.65,21.42 80.84,21.31 81.01,21.17 81.16,21.01 81.29,20.83 81.39,20.64 81.46,20.43 81.5,20.22 81.51,20 81.49,19.79 81.44,19.58 81.36,19.38 81.25,19.19 81.12,19.03 80.97,18.88 80.8,18.76 80.61,18.67 80.41,18.6 80.21,18.56 80,18.55 80,18.6 79.63,18.97 79.59,18.98